# KiCad board thunderbolt-adapter.kicad_pcb (continued)
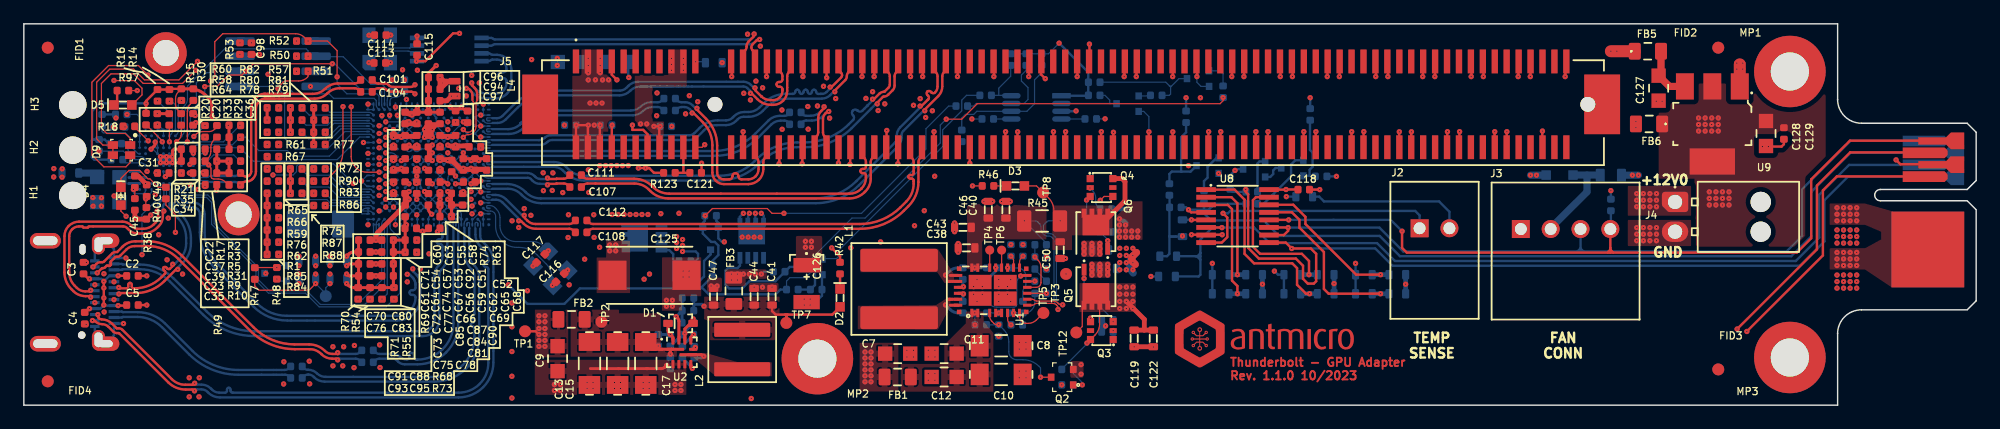
[diagram p0: board, top side]
## Routing (per net, layer and track width the routed paths; a pad name or vN(x,y) marks a point on that pad's centre or on a via; arc(x,y) is an arc through that point) (continued)
VBUS: length 4.8
  Bottom w0.25: U3.J10 8.81,19.1 ; U3.H11 8.88,19.6 ; U3.K11 8.78,18.6
  Bottom w0.6: 6.43,19.47 4.81,19.47 ; 4.61,19.47 R41.1
VCC_0P9: length 106.8
  Top w0.1: R47.1 19.35,10 19.7,9.65 23.9,9.65 v1(24.45,10.2) ; v1(77.3,24) 78.6,24 79.9,25.3 100.25,25.3 100.5,25.55 v1(100.5,25.81)
  Top w0.25: C81.2 C84.2 C87.2
  In2.Cu w0.2: v1(34.88,17.93) 34.88,18.78 35.8,19.7 36.4,19.7 36.8,19.3 38.7,19.3 40.3,17.7 40.3,10.4 v1(40.6,10.1)
  Bottom w0.1: v1(25.65,10.2) 25.3,9.85 TP9.1 25.3,9.35 v1(24.45,10.2) ; v1(34.88,17.28) U4.E13 ; v1(34.88,17.28) U4.F13 ; v1(34.88,17.28) U4.F15 v1(34.88,17.93) U4.F13 ; U4.E13 U4.F12 33.58,17.28 ; U4.E13 v1(34.88,16.63) ; U4.M9 v1(32.93,19.88) 32.6,19.55 v1(32.93,19.23) U4.J9 32.87,18.63 arc(32.88,18.62) 32.88,18.62 v1(32.88,18.61) 32.9,18.58 arc(32.92,18.55) 32.93,18.52 32.93,18.15 arc(32.97,17.94) 33.09,17.76 U4.F11 U4.E12 U4.F13 ; v1(77.3,24) 76.8,23.5 76.8,22 70.5,15.7 69.4,15.7 66,12.3 66,11.2 65.5,10.7 64.2,10.7 63.91,10.41 R116.1
  Bottom w0.2: R120.1 57.7,10.8 56.7,9.8 46.6,9.8 45.3,8.5 42.2,8.5 v1(40.6,10.1) ; R116.1 63.4,9.7 63,9.3 57.4,9.3 56.8,9.9
  vias: v1(24.45,12.5) v1(24.45,11.7) v1(24.45,11) v1(25.65,12.5) v1(25.65,11.7) v1(25.65,11)
/Connectors/OT1: length 13.5
  Top w0.2: v1(113.7,10.95) 111.65,10.95 107.4,15.2 107.4,15.8 106.38,16.82 104.35,16.82
  Bottom w0.4: R100.1 v1(113.7,10.95) R101.2
/Connectors/OT2: length 15.8
  Top w0.2: 104.35,16.18 106.27,16.18 106.9,15.55 106.9,14.9 108.95,12.85 108.95,9.75 109.35,9.35 v1(113.7,9.35)
  Bottom w0.4: R106.1 v1(113.7,9.35) R107.2
/Connectors/PCIE_PERST: length 0.9
  Top w0.1: 56.33,28.82 arc(56.3,28.82) 56.27,28.84
  Bottom w0.1: R130.2 57.04,28.82 v1(56.3,28.82)
/Connectors/TACHSET: length 2
  Top w0.2: 99.08,15.55 97.85,15.55 v1(97.85,15.55)
  Bottom w0.2: R119.1 v1(97.85,15.55)
/Connectors/TH1: length 17.2
  Top w0.2: v1(107.75,9.35) 107.45,9.35 106.7,10.1 106.7,11.5 106.3,11.9 103.1,11.9 102.3,12.7 102.3,17.25 101.46,18.09 99.08,18.09
  Bottom w0.4: R103.2 v1(107.75,9.35) R102.1
/Connectors/TH2: length 13.1
  Top w0.2: v1(107.7,10.95) 107.7,12.1 107.1,12.7 103.6,12.7 103,13.3 103,17.2 103.25,17.45 104.35,17.45
  Bottom w0.4: R109.2 v1(107.7,10.95) R108.1
/Connectors/TL1: length 11
  Top w0.2: v1(101.7,9.35) 101.7,10 101.25,10.45 101.25,16.45 100.9,16.8 99.09,16.8 99.08,16.82
  Bottom w0.4: R105.2 v1(101.7,9.35) R104.1
/Connectors/TL2: length 10.2
  Top w0.2: v1(101.7,10.95) 101.7,16.95 101.2,17.45 U8.2
  Bottom w0.4: R110.1 v1(101.7,10.95) R111.2
/Power/DCDC_EN: length 9.9
  Top w0.1: Q2.3 v1(85.2,2.35) ; v1(81.7,6.75) 81.55,6.75 arc(81.42,6.78) 81.3,6.86 81.13,7.03 arc(80.99,7.24) 80.94,7.48 U1.5
  Bottom w0.1: R7.1 81.68,6.74 arc(81.69,6.74) 81.69,6.75 v1(81.7,6.75) 82.12,6.33 arc(82.43,5.87) 82.54,5.32 82.54,4.5 arc(82.59,4.23) 82.74,4.01 arc(82.96,3.86) 83.22,3.81 83.73,3.81 arc(84.46,3.67) 85.08,3.25 85.2,3.13 v1(85.2,2.35)
/Power/I_SENSE_N: length 10.9
  Top w0.1: v1(87.06,8.42) 86.93,8.42 arc(86.82,8.44) 86.72,8.51 86.65,8.58 arc(86.48,8.7) 86.27,8.74 84.87,8.74 arc(84.77,8.76) 84.69,8.81 arc(84.61,8.87) 84.51,8.89 U1.12
  Bottom w0.1: v1(87.06,8.42) 86.93,8.42 arc(86.82,8.44) 86.72,8.51 86.67,8.56 arc(86.57,8.71) 86.53,8.89 86.53,13.88 arc(86.5,14.02) 86.43,14.13 86.27,14.29 arc(86.16,14.36) 86.03,14.39 85.84,14.39 arc(85.7,14.42) 85.59,14.49 85.54,14.54 arc(85.47,14.65) 85.44,14.79 85.44,15.1 TP11.1
/Power/I_SENSE_P: length 10.9
  Top w0.1: v1(86.67,8.03) 86.67,8.16 arc(86.64,8.27) 86.58,8.37 86.54,8.41 arc(86.4,8.5) 86.23,8.54 84.87,8.54 arc(84.77,8.52) 84.69,8.46 arc(84.61,8.41) 84.51,8.39 U1.11
  Bottom w0.1: TP10.1 85.14,15.2 arc(85.21,15.09) 85.24,14.96 85.24,14.7 arc(85.27,14.57) 85.34,14.46 85.51,14.29 arc(85.62,14.22) 85.75,14.19 85.91,14.19 arc(86.04,14.16) 86.15,14.09 86.23,14.01 arc(86.3,13.9) 86.33,13.76 86.33,8.85 arc(86.37,8.63) 86.5,8.45 86.58,8.37 arc(86.64,8.27) 86.67,8.16 v1(86.67,8.03)
/Power/SMPS_LDO: length 1.9
  Top w0.25: v1(56.13,5.92) 55.98,5.77 arc(55.92,5.67) 55.89,5.56 U2.8
  Bottom w0.25: v1(56.13,5.92) 55.2,4.99 arc(55.19,4.97) 55.18,4.95 R23.2
/Power/SMPS_VREF: length 4.3
  Bottom w0.1: 83.74,7.74 83.96,7.74 arc(84.19,7.79) 84.38,7.91 84.47,8 arc(84.66,8.29) 84.73,8.63 R12.1 ; 83.74,7.74 83.7,7.74 ; 83.74,7.74 arc(83.72,7.74) 83.71,7.73 ; 83.7,7.74 82.95,7.74 arc(82.95,7.74) 82.94,7.74 v1(82.94,7.74) 82.94,7.74 arc(82.93,7.74) 82.93,7.74 C16.2 ; 83.7,7.74 arc(83.71,7.74) 83.71,7.73 ; R13.1 83.7,7.7 arc(83.7,7.72) 83.71,7.73
/Power/TPS_3V3: length 33.2
  Top w0.1: R17.1 16.17,22.5 arc(16.17,22.49) 16.16,22.49 15.92,22.25 arc(15.73,21.97) 15.67,21.65 15.67,21.29 arc(15.61,20.98) 15.43,20.72 C39.1 ; R29.2 12.94,24.7 arc(12.77,24.96) 12.71,25.27 12.71,25.71 arc(12.77,26.03) 12.95,26.3 ; 15.18,20.35 15.24,20.35 arc(15.3,20.34) 15.34,20.31 v1(15.49,20.16) 15.58,20.06 arc(15.66,19.96) 15.68,19.84 15.68,19.22 arc(15.7,19.13) 15.75,19.05 arc(15.83,19) 15.92,18.98 16.28,18.98 arc(16.61,18.92) 16.88,18.73 17.13,18.48
  Top w0.2: R15.1 12.26,26.55 R14.1 R16.1 10.24,25.53 R20.1
  Top w0.25: 13.55,26.55 13.95,26.55 arc(14.64,26.41) 15.22,26.02 15.33,25.91 arc(15.66,25.42) 15.77,24.85 v1(15.77,24.23)
  In2.Cu w0.25: v1(15.49,20.16) 15.49,20.42 arc(15.53,20.6) 15.63,20.76 arc(15.73,20.92) 15.77,21.1 v1(15.77,24.23)
  Bottom w0.1: v1(15.49,20.16) 15.46,20.13 arc(15.43,20.11) 15.39,20.1 U3.G1
  Bottom w0.2: R39.2 5.72,22.28 5.72,22.29 5.72,24.69 6.36,25.33 10.23,25.33 v1(10.24,25.32) ; R39.2 5.78,22.28 5.7,22.2 5.7,20.8 5.9,20.6 R19.1 ; R39.2 6.78,22.28 7.12,21.95
/TB Controller/FLASH_HOLD: length 0.5
  Bottom w0.1: v1(18.11,29.44) 18.19,29.36 arc(18.27,29.3) 18.37,29.28 18.59,29.28
/TB Controller/FLASH_WP: length 15.9
  Top w0.1: v1(21.3,26.55) 21.3,26.67 21.74,27.11 arc(21.88,27.18) 22.04,27.21 23.03,27.21 arc(23.43,27.29) 23.76,27.51 arc(23.81,27.57) 23.82,27.65 v1(23.82,28.02)
  Bottom w0.1: U4.V1 26.91,22.96 25.45,21.5 22.75,21.5 21.85,22.4 21.85,26 v1(21.3,26.55)
  Bottom w0.25: v1(23.82,28.02) 23.82,28.02 arc(23.82,28.02) 23.82,28.02 U5.3
/TB Controller/PA_AUX_N: length 9.7
  Top w0.2: v1(32.78,26.13) 32.69,26.22 arc(32.59,26.28) 32.47,26.31 30.76,26.31 arc(30.58,26.34) 30.42,26.45 arc(30.26,26.56) 30.07,26.59 29.71,26.59 arc(29.51,26.55) 29.35,26.44 C104.2
  In2.Cu w0.13: v1(32.78,26.13) 32.88,26.23 arc(33,26.31) 33.14,26.34 34.07,26.34 arc(34.2,26.32) 34.3,26.25 arc(34.37,26.15) 34.39,26.02 34.39,24.34 arc(34.47,23.92) 34.71,23.57 34.9,23.38 arc(35.04,23.29) 35.22,23.25 35.31,23.25 arc(35.4,23.23) 35.46,23.19 v1(35.53,23.13)
  Bottom w0.1: v1(35.53,23.13) U4.W15
/TB Controller/PA_AUX_P: length 9.6
  Top w0.2: C101.2 29.35,27.14 arc(29.51,27.03) 29.71,26.99 30.24,26.99 arc(30.42,26.96) 30.58,26.85 arc(30.74,26.74) 30.93,26.71 32.47,26.71 arc(32.59,26.73) 32.69,26.8 v1(32.78,26.89)
  In2.Cu w0.13: v1(32.78,26.89) 32.88,26.78 arc(33,26.7) 33.14,26.67 34.03,26.67 arc(34.32,26.61) 34.57,26.45 arc(34.73,26.2) 34.79,25.9 34.79,24.34 arc(34.84,24.08) 34.99,23.85 35.12,23.72 arc(35.2,23.67) 35.3,23.65 35.31,23.65 arc(35.4,23.67) 35.46,23.71 v1(35.53,23.78)
  Bottom w0.1: v1(35.53,23.78) U4.Y15
/TB Controller/PA_TX0_N: length 27.4
  Bottom w0.1: U4.B19 37.01,15.49 arc(36.92,15.36) 36.89,15.21 36.89,14.91 arc(36.9,14.89) 36.91,14.88
  Bottom w0.2: C102.2 23.43,3.14 ; 36.92,14.86 36.92,12.82 arc(37.07,12.06) 37.51,11.41 37.51,11.4 arc(37.69,11.13) 37.76,10.81 37.76,7.66 arc(37.71,7.56) 37.61,7.52 arc(37.51,7.47) 37.47,7.37 37.47,7.36 arc(37.51,7.26) 37.61,7.22 arc(37.71,7.17) 37.76,7.07 37.76,7.06 arc(37.71,6.96) 37.61,6.92 arc(37.51,6.87) 37.47,6.77 37.47,6.76 arc(37.51,6.66) 37.61,6.62 arc(37.71,6.57) 37.76,6.47 37.76,5.73 arc(37.5,4.45) 36.77,3.36 arc(35.69,2.63) 34.4,2.38 25.28,2.38 arc(24.89,2.45) 24.56,2.67 arc(24.23,2.89) 23.85,2.97 23.81,2.97 arc(23.62,3) 23.47,3.11
/TB Controller/PA_TX0_P: length 27.4
  Bottom w0.1: U4.A19 37.12,15.22 arc(37.13,15.26) 37.15,15.3 arc(37.19,15.32) 37.22,15.33 37.25,15.33 arc(37.29,15.32) 37.32,15.3 arc(37.34,15.26) 37.35,15.22 37.35,14.91 arc(37.35,14.89) 37.34,14.88
  Bottom w0.2: C99.2 23.47,2.43 arc(23.62,2.53) 23.81,2.57 23.85,2.57 arc(24.08,2.52) 24.27,2.39 24.33,2.34 arc(24.73,2.07) 25.21,1.97 34.4,1.97 arc(35.84,2.26) 37.06,3.07 arc(37.87,4.29) 38.16,5.73 38.16,10.73 arc(38.05,11.28) 37.74,11.74 arc(37.43,12.2) 37.32,12.75 37.32,14.83 arc(37.32,14.84) 37.32,14.84 arc(37.32,14.85) 37.32,14.85
/TB Controller/PA_TX1_N: length 18.1
  Bottom w0.1: 36.2,15.6 36.32,15.48 arc(36.39,15.38) 36.43,15.25 36.43,14.86 arc(36.43,14.84) 36.42,14.82 arc(36.4,14.8) 36.4,14.78
  Bottom w0.2: C103.2 29.43,3.75 arc(29.6,3.86) 29.8,3.9 30.94,3.9 arc(31.1,3.87) 31.24,3.78 31.35,3.66 arc(31.62,3.49) 31.93,3.43 32.99,3.43 arc(34.28,3.68) 35.37,4.41 35.39,4.43 arc(36.14,5.55) 36.4,6.86 36.4,14.78
/TB Controller/PA_TX1_P: length 18.1
  Bottom w0.1: 35.97,15.22 35.97,14.88 arc(35.97,14.88) 35.97,14.87 arc(35.97,14.87) 35.97,14.86 ; 36.2,15.23 arc(36.19,15.27) 36.17,15.3 arc(36.14,15.32) 36.1,15.33 36.07,15.33 arc(36.04,15.32) 36,15.3 arc(35.98,15.27) 35.97,15.23
  Bottom w0.2: 36,14.82 36,6.86 arc(35.77,5.7) 35.11,4.72 35.09,4.69 arc(34.12,4.05) 32.99,3.82 32.89,3.82 arc(32.75,3.88) 32.69,4.03 32.69,4.19 arc(32.64,4.33) 32.49,4.39 arc(32.35,4.33) 32.29,4.19 32.29,4.03 arc(32.24,3.88) 32.09,3.82 arc(31.78,3.89) 31.52,4.06 arc(31.26,4.24) 30.95,4.3 29.8,4.3 arc(29.6,4.34) 29.43,4.45 C100.2
/TB Controller/PCIE_CLK_JHL_N: length 14.1
  Top w0.1: v1(36.83,22.48) 36.94,22.59 arc(37.06,22.67) 37.21,22.7 37.27,22.7 arc(37.47,22.74) 37.64,22.85 37.69,22.91 arc(37.84,23.13) 37.89,23.4 37.89,25.37 arc(37.9,25.44) 37.94,25.49 arc(37.98,25.55) 37.99,25.61
  Top w0.2: v1(37.53,27.04) 37.53,26.95 arc(37.55,26.87) 37.59,26.8 37.76,26.64 arc(37.93,26.38) 37.99,26.08 37.99,25.61
  Bottom w0.1: v1(36.83,22.48) U4.T19
  Bottom w0.2: 38.65,28.88 38.96,28.88 arc(39.04,28.89) 39.11,28.94 arc(39.18,28.98) 39.26,29 39.64,29 arc(39.95,28.94) 40.21,28.76 arc(40.39,28.5) 40.45,28.19 arc(40.38,28.02) 40.2,27.94 40,27.94 arc(39.82,27.87) 39.75,27.69 arc(39.82,27.52) 40,27.44 40.2,27.44 arc(40.38,27.37) 40.45,27.19 40.45,27.04 arc(40.38,26.7) 40.19,26.41 arc(39.9,26.21) 39.55,26.14 38.75,26.15 arc(38.28,26.25) 37.89,26.51 37.59,26.8 arc(37.55,26.87) 37.53,26.95 v1(37.53,27.04)
/TB Controller/PCIE_CLK_JHL_P: length 14.1
  Top w0.1: v1(36.83,23.13) 36.94,23.01 arc(37.06,22.93) 37.21,22.9 37.23,22.9 arc(37.39,22.93) 37.52,23.02 37.55,23.05 arc(37.65,23.21) 37.69,23.4 37.69,25.37 arc(37.68,25.44) 37.64,25.49 arc(37.6,25.55) 37.59,25.61
  Top w0.2: 37.59,25.61 37.59,26 arc(37.55,26.22) 37.42,26.41 37.31,26.52 arc(37.24,26.57) 37.16,26.58 v1(37.07,26.58)
  Bottom w0.1: v1(36.83,23.13) U4.V19
  Bottom w0.2: 38.65,29.53 38.96,29.53 arc(39.04,29.51) 39.11,29.46 arc(39.18,29.42) 39.26,29.4 39.66,29.4 arc(40.11,29.31) 40.49,29.06 40.5,29.05 arc(40.76,28.66) 40.85,28.19 40.85,27.04 arc(40.75,26.54) 40.47,26.12 arc(40.05,25.84) 39.55,25.74 ; v1(37.07,26.58) 37.16,26.58 arc(37.24,26.57) 37.31,26.52 37.66,26.17 arc(38.12,25.86) 38.67,25.75 39.57,25.74
/TB Controller/TX0_N: length 16
  Bottom w0.1: U4.V22 38.62,22.85 arc(38.74,22.76) 38.89,22.73 39.19,22.73 arc(39.21,22.73) 39.23,22.75 arc(39.24,22.76) 39.26,22.76
  Bottom w0.2: 53.64,24.71 53.48,24.86 arc(53.31,24.98) 53.11,25.02 52.71,25.02 arc(52.26,24.93) 51.87,24.67 arc(51.49,24.42) 51.04,24.33 43.36,24.33 arc(42.95,24.24) 42.6,24.01 42.6,24.01 arc(42.6,24) 42.6,24 arc(42.59,24) 42.59,24 42.59,24 arc(42.59,24) 42.59,24 arc(42.59,24) 42.59,24 42.59,24 arc(42.59,24) 42.59,24 arc(42.59,24) 42.59,24 42.59,23.99 arc(42.58,23.99) 42.58,23.99 arc(42.58,23.99) 42.58,23.99 arc(42.58,23.99) 42.58,23.99 42.58,23.99 arc(42.58,23.99) 42.58,23.99 42.57,23.98 arc(42.57,23.98) 42.57,23.98 arc(42.57,23.98) 42.57,23.98 42.57,23.98 arc(42.57,23.98) 42.57,23.98 arc(42.57,23.98) 42.57,23.98 arc(42.57,23.98) 42.57,23.98 arc(42.57,23.98) 42.57,23.98 42.57,23.97 arc(42.56,23.97) 42.56,23.97 42.56,23.96 arc(42.56,23.96) 42.55,23.96 arc(42.55,23.96) 42.55,23.96 arc(42.55,23.96) 42.55,23.96 42.54,23.95 arc(42.54,23.95) 42.54,23.95 arc(42.54,23.95) 42.54,23.95 arc(42.54,23.95) 42.54,23.95 42.51,23.92 arc(42.51,23.92) 42.51,23.92 arc(42.51,23.92) 42.51,23.92 arc(42.51,23.92) 42.51,23.92 42.5,23.91 arc(42.5,23.91) 42.5,23.91 42.5,23.91 arc(42.5,23.9) 42.5,23.9 42.49,23.9 arc(42.49,23.9) 42.49,23.9 42.48,23.89 arc(42.48,23.89) 42.48,23.89 arc(42.48,23.89) 42.48,23.89 arc(42.48,23.89) 42.48,23.89 arc(42.48,23.89) 42.48,23.89 arc(42.48,23.89) 42.48,23.89 42.48,23.88 arc(42.47,23.88) 42.47,23.88 42.47,23.88 arc(42.47,23.88) 42.47,23.88 42.47,23.88 arc(42.47,23.88) 42.47,23.88 42.47,23.88 arc(42.47,23.88) 42.47,23.88 arc(42.47,23.87) 42.47,23.87 42.46,23.87 arc(42.46,23.87) 42.46,23.87 42.46,23.87 arc(42.46,23.87) 42.46,23.87 42.46,23.87 arc(42.46,23.87) 42.46,23.87 arc(42.46,23.87) 42.46,23.87 42.44,23.85 arc(42.44,23.84) 42.44,23.84 42.43,23.84 arc(42.43,23.84) 42.43,23.84 42.43,23.84 arc(42.43,23.84) 42.43,23.84 arc(42.43,23.83) 42.43,23.83 arc(42.42,23.83) 42.42,23.83 42.42,23.83 arc(42.42,23.83) 42.42,23.83 42.4,23.81 arc(42.4,23.81) 42.4,23.81 42.39,23.8 arc(42.39,23.8) 42.39,23.8 42.38,23.79 arc(42.38,23.79) 42.38,23.79 42.38,23.79 arc(42.38,23.79) 42.38,23.79 42.37,23.78 arc(42.37,23.78) 42.37,23.78 42.37,23.77 arc(42.36,23.77) 42.36,23.77 arc(42.36,23.77) 42.36,23.77 42.35,23.76 arc(42.35,23.76) 42.35,23.76 42.35,23.76 arc(42.35,23.75) 42.35,23.75 42.34,23.75 arc(42.34,23.75) 42.34,23.75 42.34,23.75 arc(42.34,23.75) 42.34,23.75 42.33,23.74 arc(42.33,23.74) 42.33,23.74 42.33,23.74 arc(42.33,23.74) 42.33,23.74 arc(42.33,23.74) 42.33,23.74 arc(42.33,23.74) 42.33,23.74 arc(42.33,23.74) 42.33,23.74 arc(42.33,23.74) 42.33,23.74 42.33,23.73 arc(42.32,23.73) 42.32,23.73 42.32,23.73 arc(42.32,23.73) 42.32,23.73 42.32,23.73 arc(42.32,23.73) 42.32,23.72 arc(42.32,23.72) 42.31,23.72 arc(42.31,23.72) 42.31,23.72 arc(42.31,23.72) 42.31,23.72 42.31,23.72 arc(42.31,23.72) 42.31,23.72 arc(42.31,23.72) 42.31,23.72 arc(42.31,23.72) 42.31,23.72 42.3,23.71 arc(42.3,23.71) 42.3,23.71 42.24,23.65 arc(42.24,23.65) 42.24,23.65 42.22,23.63 arc(42.22,23.63) 42.22,23.63 arc(42.22,23.63) 42.22,23.63 42.21,23.62 arc(42.21,23.62) 42.21,23.62 arc(42.21,23.62) 42.21,23.62 42.2,23.61 arc(42.2,23.61) 42.2,23.61 42.16,23.57 arc(42.16,23.57) 42.16,23.57 42.13,23.54 arc(42.13,23.54) 42.13,23.54 42.12,23.53 arc(42.12,23.53) 42.12,23.53 42.11,23.52 arc(42.11,23.52) 42.11,23.52 42.11,23.52 arc(42.11,23.52) 42.11,23.51 arc(42.11,23.51) 42.1,23.51 arc(42.1,23.51) 42.1,23.51 arc(42.1,23.51) 42.1,23.51 42.09,23.5 arc(42.09,23.5) 42.09,23.5 42.09,23.5 arc(42.09,23.5) 42.09,23.5 arc(42.09,23.5) 42.09,23.5 arc(42.09,23.5) 42.09,23.5 arc(42.09,23.5) 42.09,23.5 42.08,23.49 arc(42.08,23.49) 42.08,23.49 arc(42.08,23.49) 42.08,23.49 arc(42.08,23.49) 42.08,23.49 42.08,23.49 arc(42.08,23.49) 42.08,23.49 arc(42.08,23.49) 42.08,23.49 42.05,23.46 arc(42.05,23.46) 42.05,23.46 42.05,23.46 arc(42.05,23.46) 42.05,23.46 41.98,23.39 arc(41.98,23.39) 41.98,23.39 41.98,23.38 arc(41.98,23.38) 41.97,23.38 41.97,23.38 arc(41.97,23.38) 41.97,23.38 41.95,23.36 arc(41.95,23.36) 41.95,23.36 arc(41.95,23.36) 41.95,23.36 41.94,23.35 arc(41.94,23.35) 41.94,23.35 41.92,23.33 arc(41.92,23.33) 41.92,23.33 41.92,23.33 arc(41.92,23.32) 41.92,23.32 arc(41.92,23.32) 41.91,23.32 arc(41.91,23.32) 41.91,23.32 arc(41.91,23.32) 41.91,23.32 arc(41.91,23.32) 41.91,23.32 41.91,23.32 arc(41.91,23.32) 41.91,23.32 41.91,23.32 arc(41.91,23.32) 41.91,23.32 41.9,23.31 arc(41.9,23.31) 41.9,23.31 41.9,23.31 arc(41.9,23.31) 41.9,23.31 41.88,23.29 arc(41.88,23.29) 41.88,23.29 41.88,23.29 arc(41.88,23.29) 41.88,23.29 arc(41.88,23.29) 41.88,23.29 41.88,23.29 arc(41.88,23.28) 41.88,23.28 41.87,23.28 arc(41.87,23.28) 41.87,23.28 41.87,23.27 arc(41.87,23.27) 41.86,23.27 arc(41.86,23.27) 41.86,23.27 41.85,23.26 arc(41.85,23.26) 41.85,23.26 arc(41.85,23.26) 41.85,23.26 arc(41.85,23.26) 41.85,23.26 41.85,23.26 arc(41.85,23.26) 41.85,23.26 arc(41.3,22.89) 40.65,22.76 39.26,22.76
/TB Controller/TX0_P: length 16
  Bottom w0.1: U4.V23 38.88,22.96 arc(38.84,22.97) 38.81,22.99 arc(38.78,23.02) 38.78,23.06 38.78,23.09 arc(38.78,23.13) 38.81,23.16 arc(38.84,23.18) 38.88,23.19 39.19,23.19 arc(39.21,23.19) 39.23,23.18 arc(39.24,23.16) 39.26,23.16
  Bottom w0.2: 39.26,23.16 40.57,23.16 arc(41.14,23.27) 41.62,23.6 arc(41.62,23.6) 41.63,23.6 arc(41.63,23.6) 41.63,23.6 arc(41.63,23.6) 41.63,23.6 arc(41.63,23.6) 41.63,23.6 arc(41.63,23.6) 41.63,23.6 41.63,23.61 arc(41.63,23.61) 41.63,23.61 41.64,23.61 arc(41.64,23.61) 41.64,23.61 41.64,23.62 arc(41.64,23.62) 41.64,23.62 41.64,23.62 arc(41.64,23.62) 41.65,23.62 41.65,23.62 arc(41.65,23.62) 41.65,23.62 41.65,23.63 arc(41.65,23.63) 41.65,23.63 41.65,23.63 arc(41.66,23.63) 41.66,23.63 41.66,23.64 arc(41.66,23.64) 41.66,23.64 41.68,23.65 arc(41.68,23.65) 41.68,23.65 41.68,23.65 arc(41.68,23.65) 41.68,23.65 41.68,23.65 arc(41.68,23.66) 41.68,23.66 41.68,23.66 arc(41.68,23.66) 41.68,23.66 41.7,23.68 arc(41.7,23.68) 41.7,23.68 41.71,23.68 arc(41.71,23.68) 41.71,23.68 arc(41.71,23.68) 41.71,23.68 41.71,23.68 arc(41.71,23.68) 41.71,23.69 41.73,23.71 arc(41.73,23.71) 41.73,23.71 41.74,23.72 arc(41.74,23.72) 41.74,23.72 41.98,23.96 arc(41.98,23.96) 41.98,23.96 41.99,23.96 arc(41.99,23.96) 41.99,23.96 42.01,23.98 arc(42.01,23.98) 42.01,23.98 42.02,23.99 arc(42.02,23.99) 42.02,23.99 42.07,24.04 arc(42.07,24.04) 42.07,24.04 42.07,24.04 arc(42.07,24.05) 42.07,24.05 arc(42.07,24.05) 42.07,24.05 arc(42.07,24.05) 42.07,24.05 42.09,24.07 arc(42.09,24.07) 42.09,24.07 42.11,24.08 arc(42.11,24.08) 42.11,24.08 42.26,24.24 arc(42.26,24.24) 42.27,24.24 42.27,24.24 arc(42.27,24.24) 42.27,24.24 42.27,24.24 arc(42.27,24.24) 42.27,24.24 42.27,24.25 arc(42.27,24.25) 42.27,24.25 42.29,24.26 arc(42.29,24.26) 42.29,24.27 arc(42.29,24.27) 42.29,24.27 42.29,24.27 arc(42.29,24.27) 42.29,24.27 arc(42.3,24.27) 42.3,24.27 42.31,24.29 arc(42.31,24.29) 42.31,24.29 42.32,24.29 arc(42.32,24.29) 42.32,24.29 42.32,24.29 arc(42.32,24.29) 42.32,24.29 arc(42.32,24.3) 42.32,24.3 arc(42.32,24.3) 42.32,24.3 42.32,24.3 arc(42.32,24.3) 42.33,24.3 42.33,24.3 arc(42.33,24.3) 42.33,24.3 arc(42.33,24.3) 42.33,24.3 42.33,24.31 arc(42.33,24.31) 42.33,24.31 42.35,24.32 arc(42.35,24.32) 42.35,24.32 arc(42.35,24.32) 42.35,24.32 arc(42.35,24.33) 42.35,24.33 42.35,24.33 arc(42.36,24.33) 42.36,24.33 arc(42.36,24.33) 42.36,24.33 arc(42.36,24.33) 42.36,24.33 arc(42.36,24.33) 42.36,24.33 42.36,24.33 arc(42.36,24.33) 42.36,24.34 arc(42.36,24.34) 42.36,24.34 arc(42.36,24.34) 42.36,24.34 arc(42.36,24.34) 42.36,24.34 42.36,24.34 arc(42.37,24.34) 42.37,24.34 42.37,24.34 arc(42.37,24.34) 42.37,24.34 42.37,24.35 arc(42.37,24.35) 42.37,24.35 42.37,24.35 arc(42.37,24.35) 42.38,24.35 arc(42.79,24.63) 43.28,24.72 50.87,24.72 arc(51.32,24.82) 51.71,25.07 arc(52.09,25.33) 52.55,25.42 53.11,25.42 arc(53.31,25.46) 53.48,25.57 C109.1
/TB Controller/TX1_N: length 26.8
  Bottom w0.1: U4.P22 38.62,21.01 arc(38.74,20.92) 38.89,20.89 39.19,20.89 arc(39.21,20.89) 39.23,20.91 arc(39.24,20.92) 39.26,20.92
  Bottom w0.2: 64.16,23.64 64.04,23.76 arc(63.91,23.85) 63.75,23.88 63.44,23.88 arc(63,23.79) 62.62,23.54 61.48,22.4 arc(59.84,21.31) 57.91,20.92 39.26,20.92
/TB Controller/TX1_P: length 26.8
  Bottom w0.1: U4.P23 38.88,21.12 arc(38.84,21.13) 38.81,21.15 arc(38.78,21.18) 38.78,21.22 38.78,21.25 arc(38.78,21.29) 38.81,21.32 arc(38.84,21.34) 38.88,21.35 39.19,21.35 arc(39.21,21.35) 39.23,21.34 arc(39.24,21.32) 39.26,21.32
  Bottom w0.2: 64.17,24.53 64.04,24.4 arc(63.91,24.31) 63.75,24.28 63.36,24.28 arc(62.84,24.17) 62.4,23.88 61.32,22.8 arc(59.68,21.71) 57.75,21.32 39.26,21.32
/TB Controller/TX2_N: length 7.8
  Top w0.2: C107.1 45.6,18.45 arc(45.44,18.56) 45.24,18.6 44.66,18.6 arc(44.65,18.6) 44.64,18.59 44.63,18.59 arc(44.63,18.58) 44.62,18.57 44.02,18.57 arc(43.97,18.56) 43.92,18.53 v1(43.88,18.49) 43.88,18.49 arc(43.88,18.5) 43.89,18.5 43.91,18.53 arc(43.94,18.55) 43.98,18.56
  Bottom w0.1: U4.K22 38.62,19.17 arc(38.74,19.08) 38.89,19.05 39.19,19.05 arc(39.21,19.05) 39.23,19.07 arc(39.24,19.08) 39.26,19.08
  Bottom w0.2: 43.88,18.5 43.85,18.54 arc(43.81,18.56) 43.77,18.57 43.25,18.57 arc(42.92,18.64) 42.64,18.83 42.48,18.98 arc(42.37,19.05) 42.24,19.08 39.26,19.08
/TB Controller/TX2_P: length 7.7
  Top w0.2: 43.94,18.99 43.89,19.04 arc(43.88,19.04) 43.88,19.05 v1(43.88,19.06) 43.92,19.02 arc(43.96,18.99) 44.02,18.98 44.63,18.98 arc(44.63,18.98) 44.63,18.99 44.64,18.99 arc(44.65,19) 44.66,19 45.24,19 arc(45.44,19.04) 45.6,19.15 C111.1
  Bottom w0.1: U4.K23 38.88,19.28 arc(38.84,19.29) 38.81,19.31 arc(38.78,19.34) 38.78,19.38 38.78,19.41 arc(38.78,19.45) 38.81,19.48 arc(38.84,19.5) 38.88,19.51 39.19,19.51 arc(39.21,19.51) 39.23,19.5 arc(39.24,19.48) 39.26,19.48
  Bottom w0.2: 43.88,19.04 43.88,19.05 arc(43.88,19.06) v1(43.88,19.06) 43.84,19.02 arc(43.79,18.98) 43.74,18.97 43.33,18.97 43.22,18.99 arc(43.04,19.04) 42.88,19.15 42.8,19.23 arc(42.52,19.41) 42.19,19.48 39.26,19.48
/TB Controller/TX3_N: length 8.9
  Top w0.2: C108.1 46.07,14.65 arc(45.9,14.76) 45.71,14.8 42.92,14.8 arc(42.37,14.91) 41.89,15.23 41.71,15.41 arc(41.64,15.45) 41.56,15.47 v1(41.47,15.47)
  Bottom w0.1: U4.F22 38.62,17.33 arc(38.74,17.24) 38.89,17.21 39.19,17.21 arc(39.21,17.21) 39.23,17.23
  Bottom w0.2: v1(41.47,15.47) 41.47,15.56 arc(41.46,15.64) 41.41,15.71 40.1,17.02 arc(39.85,17.18) 39.56,17.24 39.26,17.24 arc(39.24,17.24) 39.23,17.23
/TB Controller/TX3_P: length 8.9
  Top w0.2: v1(41.93,15.93) 41.93,15.84 arc(41.95,15.76) 41.99,15.69 42.21,15.48 arc(42.51,15.27) 42.88,15.2 45.71,15.2 arc(45.9,15.24) 46.07,15.35 C112.1
  Bottom w0.1: U4.F23 38.88,17.44 arc(38.84,17.45) 38.81,17.47 arc(38.78,17.5) 38.78,17.54 38.78,17.57 arc(38.78,17.61) 38.81,17.64 arc(38.84,17.66) 38.88,17.67 39.19,17.67 arc(39.21,17.67) 39.23,17.66 arc(39.24,17.64) 39.26,17.64
  Bottom w0.2: 39.26,17.64 39.53,17.64 arc(40.01,17.55) 40.41,17.28 41.69,15.99 arc(41.76,15.95) 41.84,15.93 v1(41.93,15.93)
AUX_N: length 20.8
  Top w0.2: R10.2 18.31,18.63 arc(18.48,18.74) 18.68,18.78 18.71,18.78 arc(18.94,18.83) 19.14,18.96 19.21,19.02 arc(19.39,19.29) 19.45,19.61 19.45,24.86 arc(19.52,25.19) 19.7,25.47 19.81,25.58 arc(19.97,25.68) 20.16,25.72 24.37,25.72 arc(24.94,25.84) 25.42,26.16 arc(25.9,26.48) 26.47,26.59 27.72,26.59 arc(27.91,26.55) 28.08,26.44 C104.1
  Bottom w0.1: U3.J2 14.32,18.97 arc(14.46,18.88) 14.63,18.85 15.35,18.85 arc(15.43,18.83) 15.49,18.79 arc(15.56,18.75) 15.64,18.73
  Bottom w0.2: v1(18.1,18.48) 17.98,18.61 arc(17.84,18.7) 17.68,18.73 15.64,18.73
AUX_P: length 20.3
  Top w0.2: R9.2 18.35,19.3 arc(18.48,19.21) 18.63,19.18 arc(18.78,19.21) 18.91,19.3 18.92,19.31 arc(19.02,19.45) 19.05,19.61 19.05,24.86 arc(19.15,25.34) 19.42,25.75 19.56,25.89 arc(19.81,26.06) 20.12,26.12 24.2,26.12 arc(24.77,26.24) 25.25,26.56 arc(25.74,26.88) 26.31,26.99 27.72,26.99 arc(27.91,27.03) 28.08,27.14 C101.1
  Bottom w0.1: U3.J1 15.33,19.1 arc(15.42,19.12) 15.49,19.17 arc(15.56,19.21) 15.64,19.23
  Bottom w0.2: 15.64,19.23 17.68,19.23 arc(17.84,19.26) 17.98,19.36 v1(18.1,19.48)
CC1: length 17.4
  Top w0.1: 10.22,16.61 v1(10.22,17.3)
  In2.Cu w0.1: v1(7.55,8.85) 7.4,8.71 7.4,7.7 7.6,7.5 8.7,7.5 10.9,9.7 10.9,12.3 11.8,13.2 11.8,14.8 12.7,15.7 12.7,16.1 11.5,17.3 v1(10.22,17.3)
  Bottom w0.1: 10.29,17.43 10.61,17.75 arc(10.68,17.85) 10.7,17.97 U3.L9
CC2: length 16
  Top w0.1: v1(9.18,18.1) 9.3,17.98 R38.2
  In2.Cu w0.1: v1(5.95,10.1) 4.7,10.1 3.8,11 3.8,15.2 4.3,15.7 7.31,15.7 8.16,16.55 8.16,17.08 v1(9.18,18.1)
  Bottom w0.1: U3.L10 10.2,18.01 arc(10.19,17.95) 10.17,17.89 10.03,17.75 9.25,17.75 9.18,17.82 v1(9.18,18.1)
FAN_FAIL: length 78.6
  Top w0.2: v1(97.6,16.4) 97.82,16.18 99.08,16.18
  Bottom w0.2: R117.1 98.9,16.1 99.5,15.5 103.9,15.5 105.2,14.2 113.62,14.2 115.32,12.5 148.12,12.5 149.79,14.17 149.79,17.89 153.09,21.19 162.03,21.19 ; R114.1 97.4,16.6 v1(97.6,16.4) 99.3,16.4 99.8,16.9 R131.1
FAN_OT: length 82.2
  Top w0.2: v1(102.4,18.1) 102.4,17.9 102.6,17.7 102.6,13.2 103.5,12.3 106.6,12.3 107.2,11.7 107.2,10.6 107.6,10.2 108.1,10.2 108.3,10.4 108.3,12.7 107.85,13.15 v1(106.25,13.15) 105.76,13.64 U8.9
  Bottom w0.2: 162.03,19.19 152.89,19.19 150.9,17.2 150.9,13.75 148.85,11.7 114.7,11.7 113.25,13.15 v1(106.25,13.15) ; R129.1 101.31,17.9 R132.1
FAN_TACH1: length 66.3
  Top w0.2: 104.35,14.91 105.94,14.91 v1(105.95,14.9) 105.95,14.63 105.6,14.28 U8.10
  Bottom w0.2: 130.4,12.9 130.7,12.9 ; 130.4,12.9 130.2,12.9 ; 130.4,12.9 130.46,12.96 130.46,13.16 ; 130.7,12.9 130.46,13.15 130.46,13.16 ; 130.7,12.9 147.72,12.9 149.03,14.21 149.03,18.13 153.12,22.22 159.03,22.22 ; v1(105.95,14.9) 113.6,14.9 115.6,12.9 130.2,12.9 ; 130.2,12.9 130.46,13.16 ; J3.3 130.46,13.16
FULLSPD: length 76.6
  Top w0.2: 99.08,14.91 100.39,14.91 v1(100.4,14.9)
  Bottom w0.2: 98.6,12.8 98.6,12.75 98.35,12.5 ; 98.6,12.8 98.6,13.9 99.6,14.9 v1(100.4,14.9) 103.1,14.9 104.4,13.6 113.4,13.6 114.9,12.1 148.5,12.1 150.46,14.06 150.46,17.66 152.96,20.16 158.79,20.16 ; 98.6,12.8 98.6,12.5 ; 98.35,12.5 98.6,12.5 ; 98.35,12.5 98.2,12.5 ; 98.6,12.5 98.6,12.2 ; 98.6,12.2 98.3,12.5 98.2,12.5 ; 98.6,12.2 98.6,10.95 98.45,10.8 R113.2 ; R112.1 98.2,12.5
HPD: length 32.5
  In2.Cu w0.1: v1(8.47,23.35) 8.95,23.35 9.7,22.6 13,22.6 13.25,22.35 13.25,20.4 12.6,19.75 12.6,18.75 12.9,18.75 15.75,15.9 15.75,15.4 17.5,13.65 18.65,13.65 20.2,15.2 25,15.2 26.6,16.8 26.6,18.7 27.7,19.8 29.38,19.8 v1(29.78,20.2)